# Altium PCB INC-MBTMC429-01.PcbDoc (part 1 of 2)
Units mil, origin at the board's own origin, x right, y up, seen from the top; angles counter-clockwise.
Board outline 6000 x 4000 mil, 2 copper layers (Top Layer, Bottom Layer); 198 components, 197 nets, 672 pads, 128 vias.
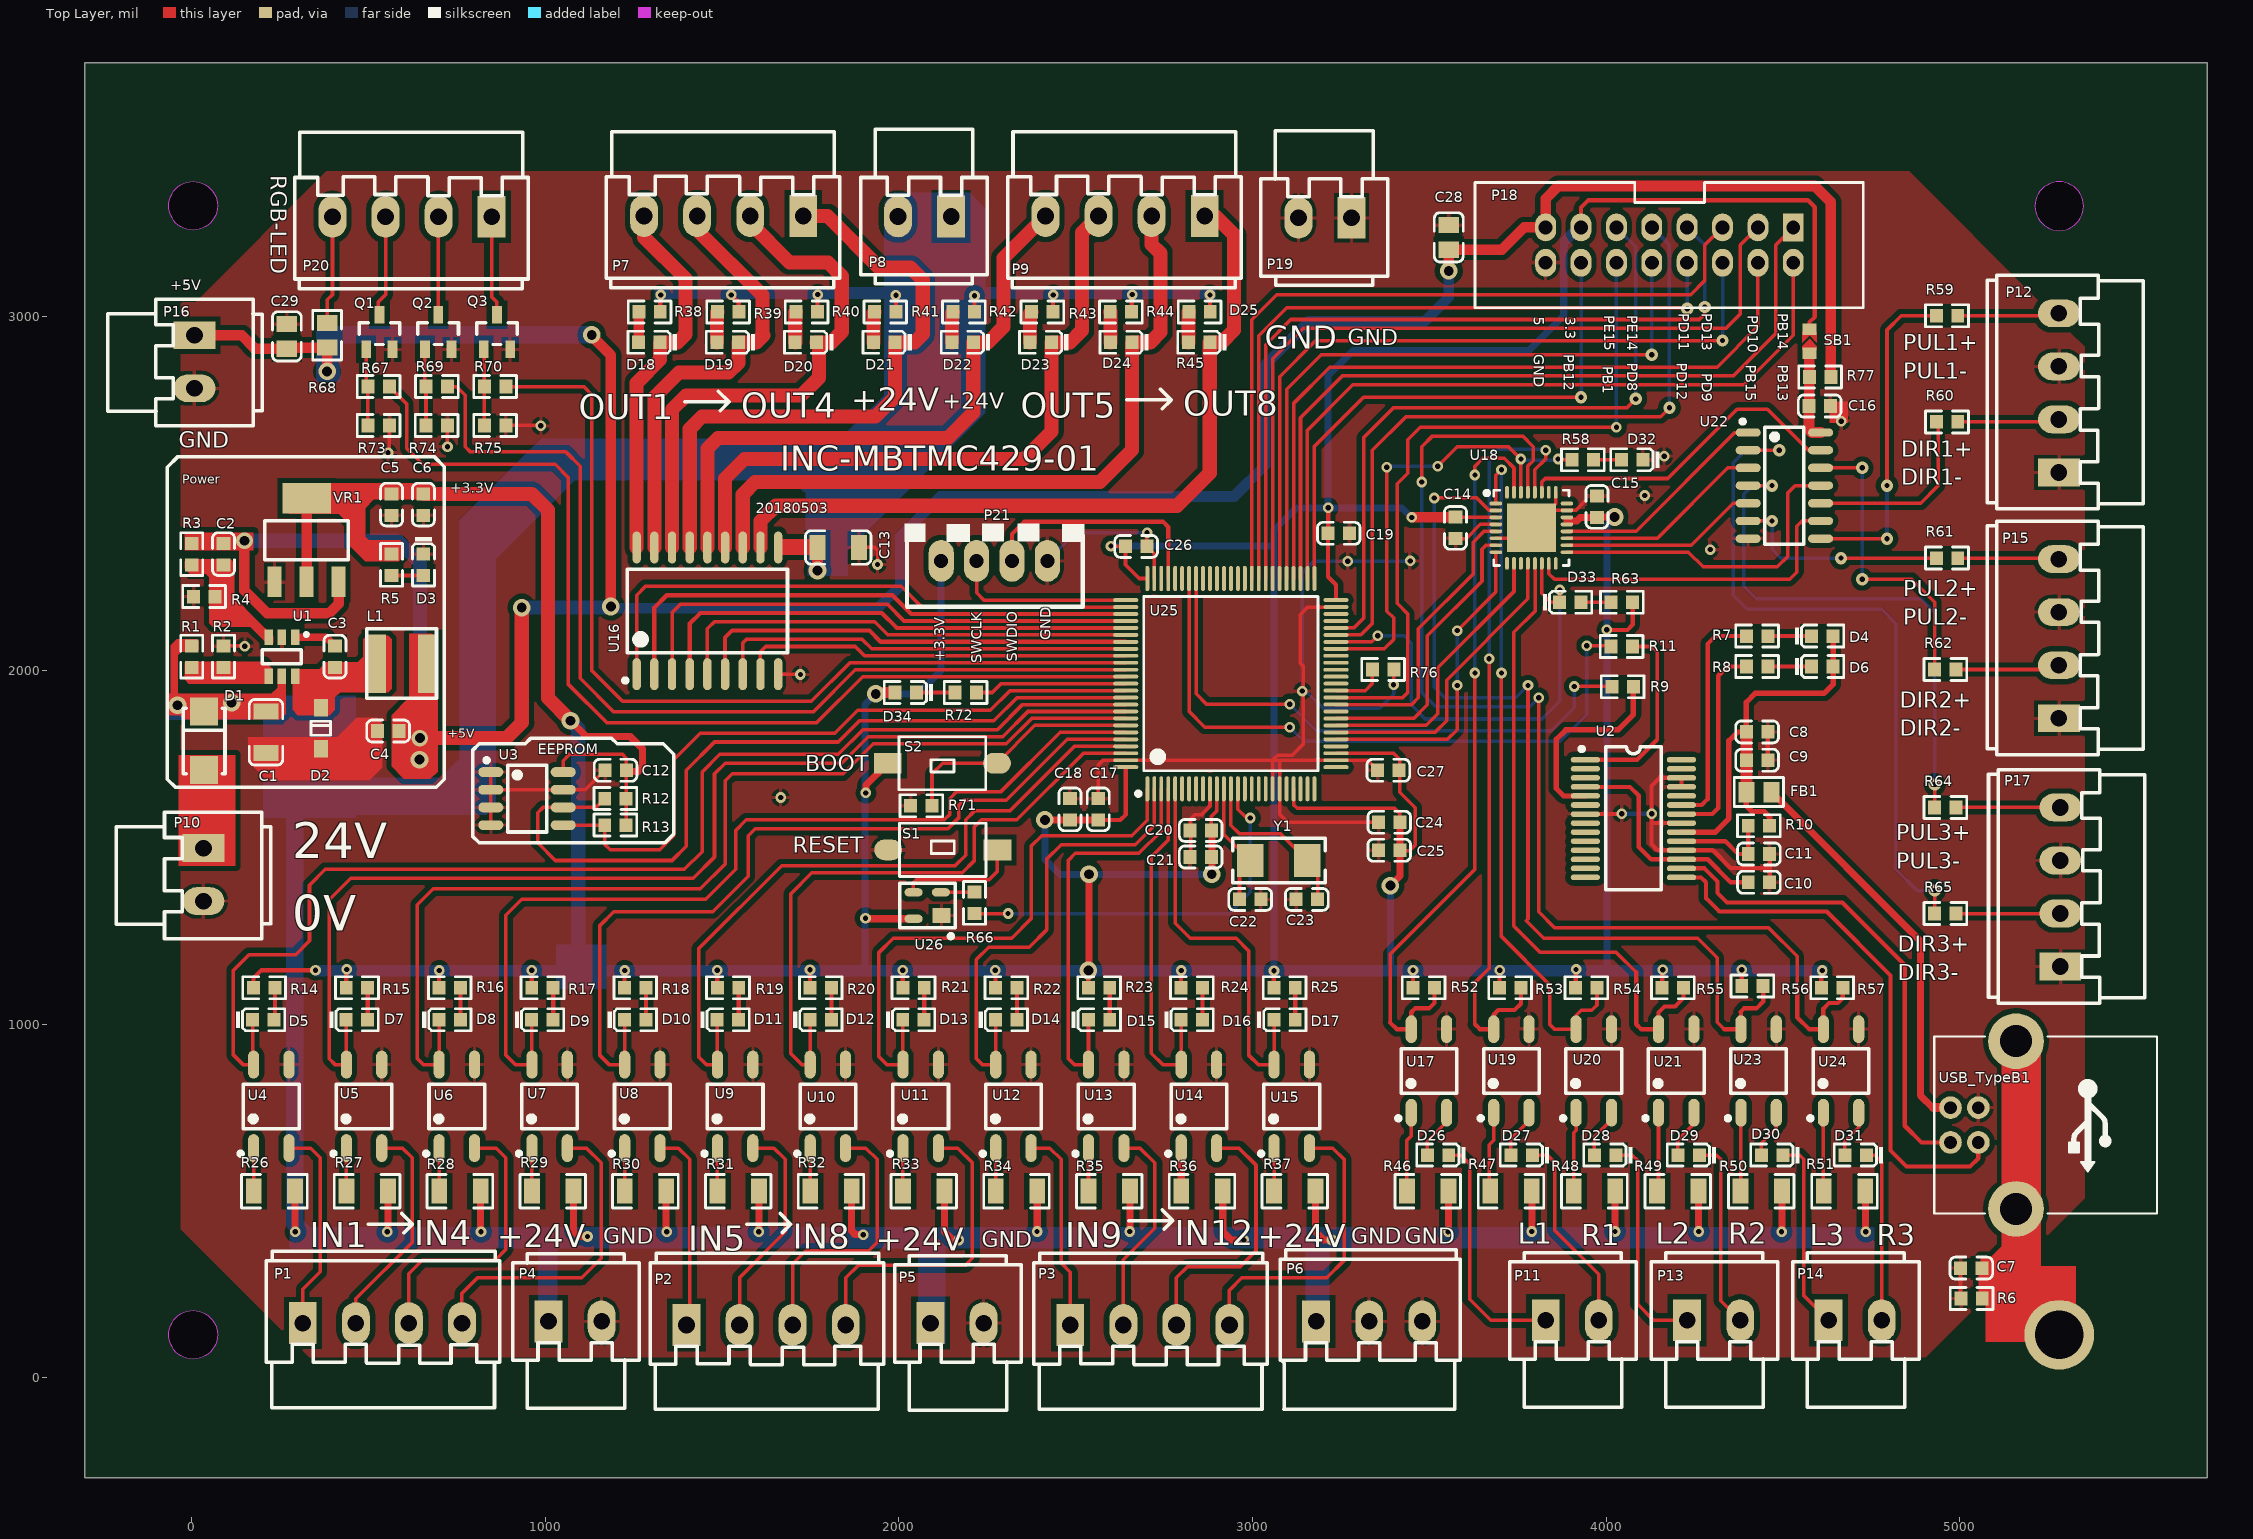
[diagram p0: Top Layer view]
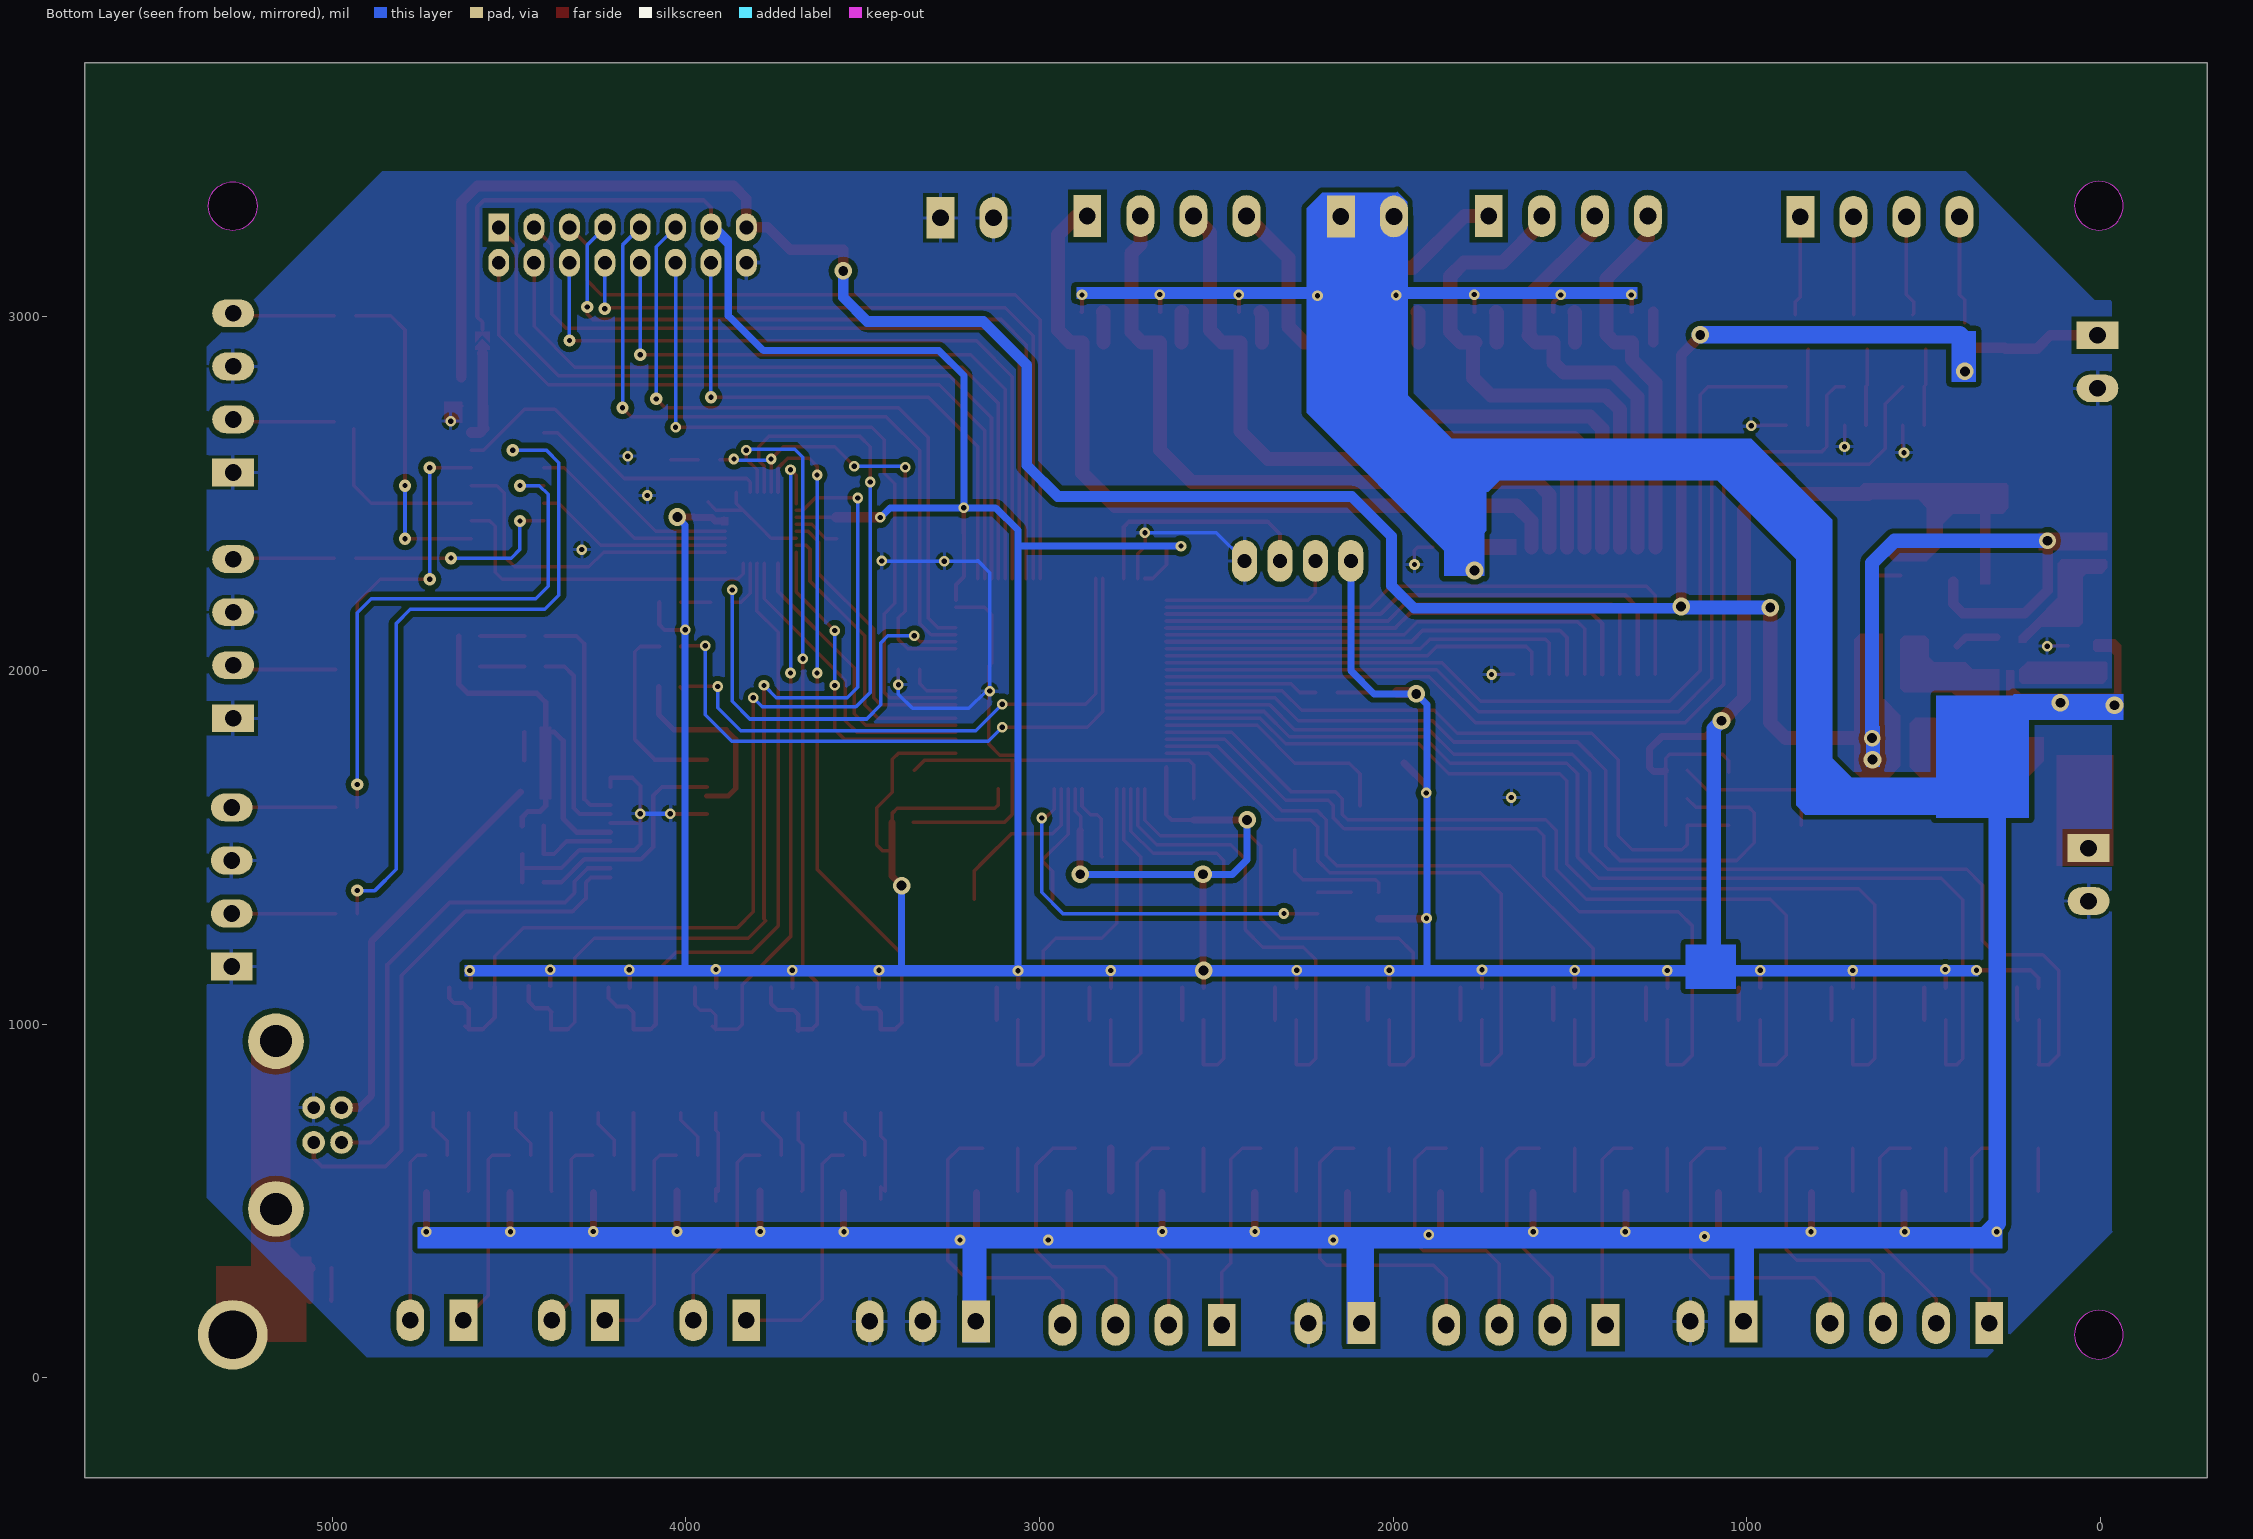
[diagram p1: Bottom Layer view, seen from below]
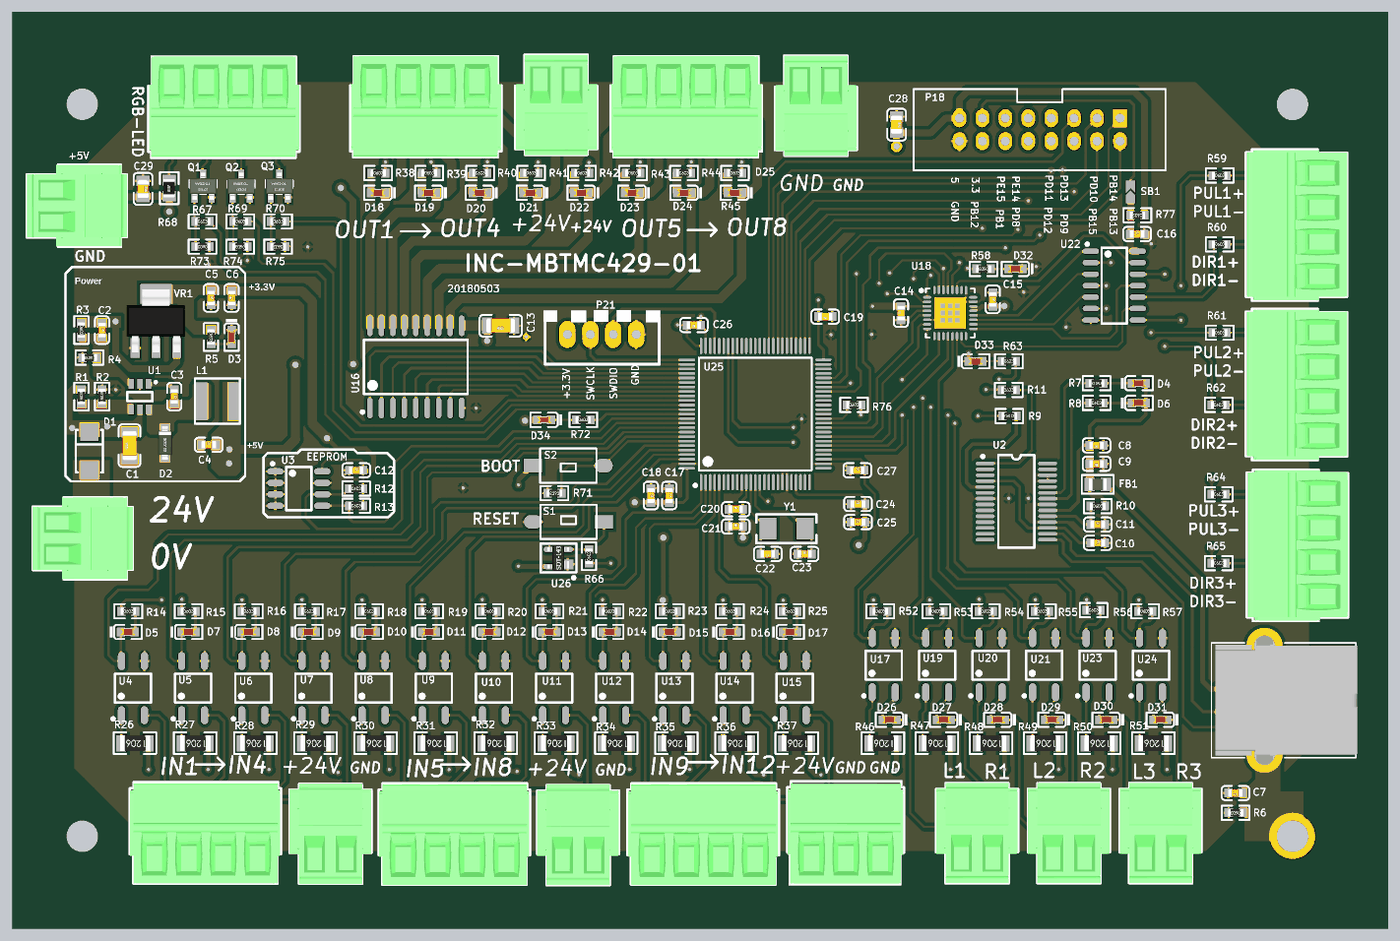
[diagram p3: 3D render of the assembled board from above, using the file's embedded part models]

## Layer stack, top to bottom
Top Solder: solder mask 0.4, Solder Resist, Dk 3.5
Top Layer: signal copper 1.4
Dielectric 1: dielectric 12.6, FR-4, Dk 4.8
Bottom Layer: signal copper 1.4
Bottom Solder: solder mask 0.4, Solder Resist, Dk 3.5

## Board outline
-301,-282 5699,-282 5699,3718 -301,3718
cut-out: 5212.1,3313 ccw(c5281,3313) 5281,3244.1 ccw(c5281,3313) 5349.9,3313 ccw(c5281,3313) 5281,3381.9 ccw(c5281,3313)
cut-out: 5,3245.1 cw(c5,3314) -63.9,3314 cw(c5,3314) 5,3382.9 cw(c5,3314) 73.9,3314 cw(c5,3314)
cut-out: 5,53.1 cw(c5,122) -63.9,122 cw(c5,122) 5,190.9 cw(c5,122) 73.9,122 cw(c5,122)

## Design rules (kind name [scope] priority, off if disabled: settings)
Clearance [All] p1: gap=8 ignorepadtopadclearanceinfootprint=FALSE
MinimumSolderMaskSliver [All] p1 off: minsoldermaskwidth=10
PolygonConnect [All] p1: connectstyle=Relief reliefconductorwidth=10 reliefentries=4 polygonreliefangle="90 Angle" airgapwidth=10
RoutingVias [All] p1: holewidth=28 width=50 viastyle="Through Hole" minholewidth=15 minwidth=30 maxholewidth=28 maxwidth=50
SilkToSilkClearance [All] p1 off: silktosilkclearance=10
SilkToSolderMaskClearance [IsPad] p1 off: minsilkscreentomaskgap=10 clearancetoexposedcopper=TRUE
SolderMaskExpansion [All] p1: expansion=4
Width [All] p1: maxlimit=100 minlimit=10 preferedwidth=10
27 further rules are at their usual default settings.

## Components (designator, comment, footprint, x,y, rotation, side; value= is the part's Value field where it differs from the comment)
C1 "10uF (106) 10% 50V" 1206_C 211,1825.34 r90 top
C2 "33pF (330) 5% 50V" 0603_C 91,2329.32 r270 top
C3 "100nF (104) 10% 50V" 0603_C 406,2039.32 r270 top
C4 "10uF (106) 10% 10V" 0603_C 556.32,1829 r0 top
C5 "10uF (106) 10% 10V" 0603_C 566,2469.32 r270 top
C6 "100nF (104) 10% 50V" 0603_C 656,2469.32 r90 top
C7 "100nF (104) 10% 50V" 0603_C 5032.31,310.53 r180 top
C8 "10uF (106) 10% 10V" 0603_C 4426.69,1826.5 r180 top
C9 "100nF (104) 10% 50V" 0603_C 4426.69,1746.5 r180 top
C10 "100nF (104) 10% 50V" 0603_C 4432,1401.5 r0 top
C11 "100nF (104) 10% 50V" 0603_C 4432,1481.5 r0 top
C12 "100nF (104) 10% 50V" 0603_C 1199.32,1718 r0 top
C13 "10uF(106) ±10% 25V" 1206_C 1829,2348 r180 top
C14 "100nF (104) 10% 50V" 0603_C 3574,2403.32 r90 top
C15 "470nF (474) 10% 25V" 0603_C 3974,2463 r270 top
C16 "100nF (104) 10% 50V" 0603_C 4603.69,2748 r0 top
C17 "100nF (104) 10% 50V" 0603_C 2564,1607.68 r270 top
C18 "4.7uF (475) 10% 16V" 0603_C 2484,1607.68 r270 top
C19 "100nF (104) 10% 50V" 0603_C 3244,2388 r180 top
C20 "1uF (105) 10% 50V" 0603_C 2853.69,1548 r0 top
C21 "10nF (103) 10% 50V" 0603_C 2853.69,1473 r0 top
C22 "22pF (220) 5% 50V" 0603_C 2993.69,1353 r180 top
C23 "22pF (220) 5% 50V" 0603_C 3153.69,1353 r0 top
C24 "1uF (105) 10% 50V" 0603_C 3386.69,1571 r0 top
C25 "10nF (103) 10% 50V" 0603_C 3386.69,1492 r0 top
C26 "100nF (104) 10% 50V" 0603_C 2671.32,2351 r180 top
C27 "100nF (104) 10% 50V" 0603_C 3384,1718 r0 top
C28 "10uF (106) 10% 25V" 0805_C 3555,3224.96 r270 top
C29 "10uF (106) 10% 25V" 0805_C 270,2945.04 r270 top
D1 "SS210" SMA(DO-214AC)_S1 36,1801.32 r270 top
D2 "B5819W  SL" SOD-123 366,1837.07 r270 top
D3 "红灯 0603" 0603_LED_S1 656,2299.32 r270 top
D4 "蓝灯 0603" 0603_LED_S1 4611.31,2097.5 r0 top
D5 "蓝灯 0603" 0603_LED_S1 203.68,1013 r0 top
D6 "红灯 0603" 0603_LED_S1 4611.31,2011.5 r0 top
D7 "蓝灯 0603" 0603_LED_S1 467.96,1013 r0 top
D8 "蓝灯 0603" 0603_LED_S1 730.23,1013 r0 top
D9 "蓝灯 0603" 0603_LED_S1 992.5,1013 r0 top
D10 "蓝灯 0603" 0603_LED_S1 1254.78,1013 r0 top
D11 "蓝灯 0603" 0603_LED_S1 1517.05,1013 r0 top
D12 "蓝灯 0603" 0603_LED_S1 1779.32,1013 r0 top
D13 "蓝灯 0603" 0603_LED_S1 2041.59,1013 r0 top
D14 "蓝灯 0603" 0603_LED_S1 2303.87,1013 r0 top
D15 "蓝灯 0603" 0603_LED_S1 2566.14,1013 r0 top
D16 "蓝灯 0603" 0603_LED_S1 2828.41,1013 r0 top
D17 "蓝灯 0603" 0603_LED_S1 3090.68,1013 r0 top
D18 "蓝灯 0603" 0603_LED_S1 1294.69,2928 r180 top
D19 "蓝灯 0603" 0603_LED_S1 1516.11,2928 r180 top
D20 "蓝灯 0603" 0603_LED_S1 1737.54,2928 r180 top
D21 "蓝灯 0603" 0603_LED_S1 1958.97,2928 r180 top
D22 "蓝灯 0603" 0603_LED_S1 2180.4,2928 r180 top
D23 "蓝灯 0603" 0603_LED_S1 2401.83,2928 r180 top
D24 "蓝灯 0603" 0603_LED_S1 2629,2928 r180 top
D25 "蓝灯 0603" 0603_LED_S1 2849,2928 r180 top
D26 "红灯 0603" 0603_LED_S1 3524.69,630 r180 top
D27 "红灯 0603" 0603_LED_S1 3760.81,630 r180 top
D28 "红灯 0603" 0603_LED_S1 3996.94,630 r180 top
D29 "红灯 0603" 0603_LED_S1 4233.06,630 r180 top
D30 "红灯 0603" 0603_LED_S1 4469.19,630 r180 top
D31 "红灯 0603" 0603_LED_S1 4705.32,630 r180 top
D32 "蓝灯 0603" 0603_LED_S1 4073.32,2596 r180 top
D33 "红灯 0603" 0603_LED_S1 3899,2193 r0 top
D34 "蓝灯 0603" 0603_LED_S1 2019.32,1938 r180 top
FB1 "600Ω ±25% 100MHz" 0805_L 4432,1656.5 r0 top
L1 "3.3uH  ±20%" L5020 596,2019 r0 top value="4.7uH  ±10%"
P1 "Header 4" WJ15EDGVC-3.81-4P 315,155 r0 top
P2 "Header 4" WJ15EDGVC-3.81-4P 1400,150 r0 top
P3 "Header 4" WJ15EDGVC-3.81-4P 2485,150 r0 top
P4 "Header 2" WJ15EDGVC-3.81-2P 1010,160 r0 top
P5 "Header 2" WJ15EDGVC-3.81-2P 2090,155 r0 top
P6 "Header 3" WJ15EDGVC-3.81-3P 3180,160 r0 top
P7 "Header 4" WJ15EDGVC-3.81-4P 1730,3285 r180 top
P8 "Header 2" WJ15EDGVC-3.81-2P 2148,3284 r180 top
P9 "Header 4" WJ15EDGVC-3.81-4P 2865,3285 r180 top
P10 "Header 2" WJ15EDGVC-3.81-2P 34,1498 r270 top
P11 "Header 2" WJ15EDGVC-3.81-2P 3829,163 r0 top
P12 "Header 4" WJ15EDGVC-3.81-4P 5280,2560 r90 top
P13 "Header 2" WJ15EDGVC-3.81-2P 4229,163 r0 top
P14 "Header 2" WJ15EDGVC-3.81-2P 4629,163 r0 top
P15 "Header 4" WJ15EDGVC-3.81-4P 5280,1865 r90 top
P16 "Header 2" WJ15EDGVC-3.81-2P 9,2948 r270 top
P17 "Header 4" WJ15EDGVC-3.81-4P 5284,1163 r90 top
P18 "Header 8X2H" "直牛角连接器 2*8*2.54" 4529,3253 r180 top
P19 "Header 2" WJ15EDGVC-3.81-2P 3280,3280 r180 top
P20 "Header 4" WJ15EDGVC-3.81-4P 849,3283 r180 top
P21 "SWD" "XH连接器 4P-2.5" 2120,2310 r180 top
Q1 "SS8050 Y1" SOT-23(SOT-23-3) 531.6,2957.21 r270 top
Q2 "SS8050 Y1" SOT-23(SOT-23-3) 697.8,2957.21 r270 top
Q3 "SS8050 Y1" SOT-23(SOT-23-3) 864,2957.21 r270 top
R1 "47KΩ (4702) ±1%" 0603_R 1,2039.31 r90 top
R2 "10KΩ (1002) ±1%" 0603_R 91,2039.31 r90 top
R3 "160KΩ (1603) ±1%" 0603_R 1,2329.32 r270 top
R4 "30KΩ (3002) ±1%" 0603_R 36.32,2209 r180 top
R5 "1KΩ (1001) ±1%" 0603_R 566,2299 r270 top
R6 "47KΩ (4702) ±1%" 0603_R 5033,224.53 r180 top
R7 "1KΩ (1001) ±1%" 0603_R 4426.69,2097.5 r180 top
R8 "1KΩ (1001) ±1%" 0603_R 4426.68,2011.5 r0 top
R9 "33Ω (33R0) ±1%" 0603_R 4046.68,1954.5 r0 top
R10 "10KΩ (1002) ±1%" 0603_R 4432,1561.5 r0 top
R11 "33Ω (33R0) ±1%" 0603_R 4044,2068 r0 top
R12 "4.7KΩ (4701) ±1%" 0603_R 1199,1638 r0 top
R13 "4.7KΩ (4701) ±1%" 0603_R 1199,1563 r0 top
R14 "1KΩ (1001) ±1%" 0603_R 206,1103 r0 top
R15 "1KΩ (1001) ±1%" 0603_R 468.24,1103 r0 top
R16 "1KΩ (1001) ±1%" 0603_R 730.49,1103 r0 top
R17 "1KΩ (1001) ±1%" 0603_R 992.73,1103 r0 top
R18 "1KΩ (1001) ±1%" 0603_R 1254.98,1103 r0 top
R19 "1KΩ (1001) ±1%" 0603_R 1517.22,1103 r0 top
R20 "1KΩ (1001) ±1%" 0603_R 1779.46,1103 r0 top
R21 "1KΩ (1001) ±1%" 0603_R 2041.71,1103 r0 top
R22 "1KΩ (1001) ±1%" 0603_R 2303.95,1103 r0 top
R23 "1KΩ (1001) ±1%" 0603_R 2566.2,1103 r0 top
R24 "1KΩ (1001) ±1%" 0603_R 2828.44,1103 r0 top
R25 "1KΩ (1001) ±1%" 0603_R 3090.68,1103 r0 top
R26 "4.7KΩ (4701) ±1%" 1206_R 234.66,528 r180 top
R27 "4.7KΩ (4701) ±1%" 1206_R 496.93,528 r180 top
R28 "4.7KΩ (4701) ±1%" 1206_R 759.21,528 r180 top
R29 "4.7KΩ (4701) ±1%" 1206_R 1021.48,528 r180 top
R30 "4.7KΩ (4701) ±1%" 1206_R 1283.75,528 r180 top
R31 "4.7KΩ (4701) ±1%" 1206_R 1546.02,528 r180 top
R32 "4.7KΩ (4701) ±1%" 1206_R 1808.3,528 r180 top
R33 "4.7KΩ (4701) ±1%" 1206_R 2070.57,528 r180 top
R34 "4.7KΩ (4701) ±1%" 1206_R 2332.84,528 r180 top
R35 "4.7KΩ (4701) ±1%" 1206_R 2595.12,528 r180 top
R36 "4.7KΩ (4701) ±1%" 1206_R 2857.39,528 r180 top
R37 "4.7KΩ (4701) ±1%" 1206_R 3119.66,528 r180 top
R38 "6.8KΩ (6801) ±1%" 0603_R 1295.31,3014 r0 top
R39 "6.8KΩ (6801) ±1%" 0603_R 1517.46,3014 r0 top
R40 "6.8KΩ (6801) ±1%" 0603_R 1739.6,3014 r0 top
R41 "6.8KΩ (6801) ±1%" 0603_R 1961.74,3014 r0 top
R42 "6.8KΩ (6801) ±1%" 0603_R 2183.89,3014 r0 top
R43 "6.8KΩ (6801) ±1%" 0603_R 2406.03,3014 r0 top
R44 "6.8KΩ (6801) ±1%" 0603_R 2628.17,3014 r0 top
R45 "6.8KΩ (6801) ±1%" 0603_R 2850.31,3014 r0 top
R46 "4.7KΩ (4701) ±1%" 1206_R 3495.38,528 r180 top
R47 "4.7KΩ (4701) ±1%" 1206_R 3731.11,528 r180 top
R48 "4.7KΩ (4701) ±1%" 1206_R 3966.83,528 r180 top
R49 "4.7KΩ (4701) ±1%" 1206_R 4202.55,528 r180 top
R50 "4.7KΩ (4701) ±1%" 1206_R 4438.28,528 r180 top
R51 "4.7KΩ (4701) ±1%" 1206_R 4674,528 r180 top
R52 "1KΩ (1001) ±1%" 0603_R 3484,1103 r0 top
R53 "1KΩ (1001) ±1%" 0603_R 3728.68,1103 r0 top
R54 "1KΩ (1001) ±1%" 0603_R 3944,1103 r0 top
R55 "1KΩ (1001) ±1%" 0603_R 4188.68,1103 r0 top
R56 "1KΩ (1001) ±1%" 0603_R 4413.68,1108 r0 top
R57 "1KΩ (1001) ±1%" 0603_R 4638.68,1103 r0 top
R58 "1KΩ (1001) ±1%" 0603_R 3934.32,2596 r180 top
R59 "220Ω (2200) ±1%" 0603_R 4963.68,3003 r0 top
R60 "220Ω (2200) ±1%" 0603_R 4963.68,2703 r0 top
R61 "220Ω (2200) ±1%" 0603_R 4963.68,2318 r0 top
R62 "220Ω (2200) ±1%" 0603_R 4959,2003 r0 top
R63 "1KΩ (1001) ±1%" 0603_R 4044.31,2193 r0 top
R64 "220Ω (2200) ±1%" 0603_R 4959,1613 r0 top
R65 "220Ω (2200) ±1%" 0603_R 4959,1313 r0 top
R66 "4.7KΩ (4701) ±1%" 0603_R 2214,1343 r90 top
R67 "2.2KΩ (2201) ±1%" 0603_R 529.31,2803 r0 top
R68 "1KΩ (1001) ±1%" 0805_R 384,2948.04 r90 top
R69 "2.2KΩ (2201) ±1%" 0603_R 694.16,2803 r0 top
R70 "2.2KΩ (2201) ±1%" 0603_R 859,2803 r0 top
R71 "100KΩ (1003) ±1%" 0603_R 2063.69,1618 r180 top
R72 "510Ω (5100) ±1%" 0603_R 2189,1938 r0 top
R73 "100KΩ (1003) ±1%" 0603_R 529.32,2693 r180 top
R74 "100KΩ (1003) ±1%" 0603_R 693.69,2693 r180 top
R75 "100KΩ (1003) ±1%" 0603_R 858.69,2693 r180 top
R76 "100KΩ (1003) ±1%" 0603_R 3369.31,2003 r0 top
R77 "0Ω (0R0) ±1%" 0603_R 4605,2830 r180 top
S1 "贴片按键 3*6*2.5" "贴片按键 3*6*2.5" 2279,1493 r180 top
S2 "贴片按键 3*6*2.5" "贴片按键 3*6*2.5" 1969,1738 r0 top
SB1 "Circuit Breaker" JP2_SMD 4575,2897.5 r90 top
U1 "MP2451DT-LF-Z" SOT-23-6 256,2039 r90 top
U2 "FT232RL-REEL" SSOP-28_208mil 4077,1581.5 r270 top
U3 "EEPROM/AT24C128" SOIC-8_150mil 949,1638 r270 top